# KiCad board AT386SX.kicad_pcb (continued)
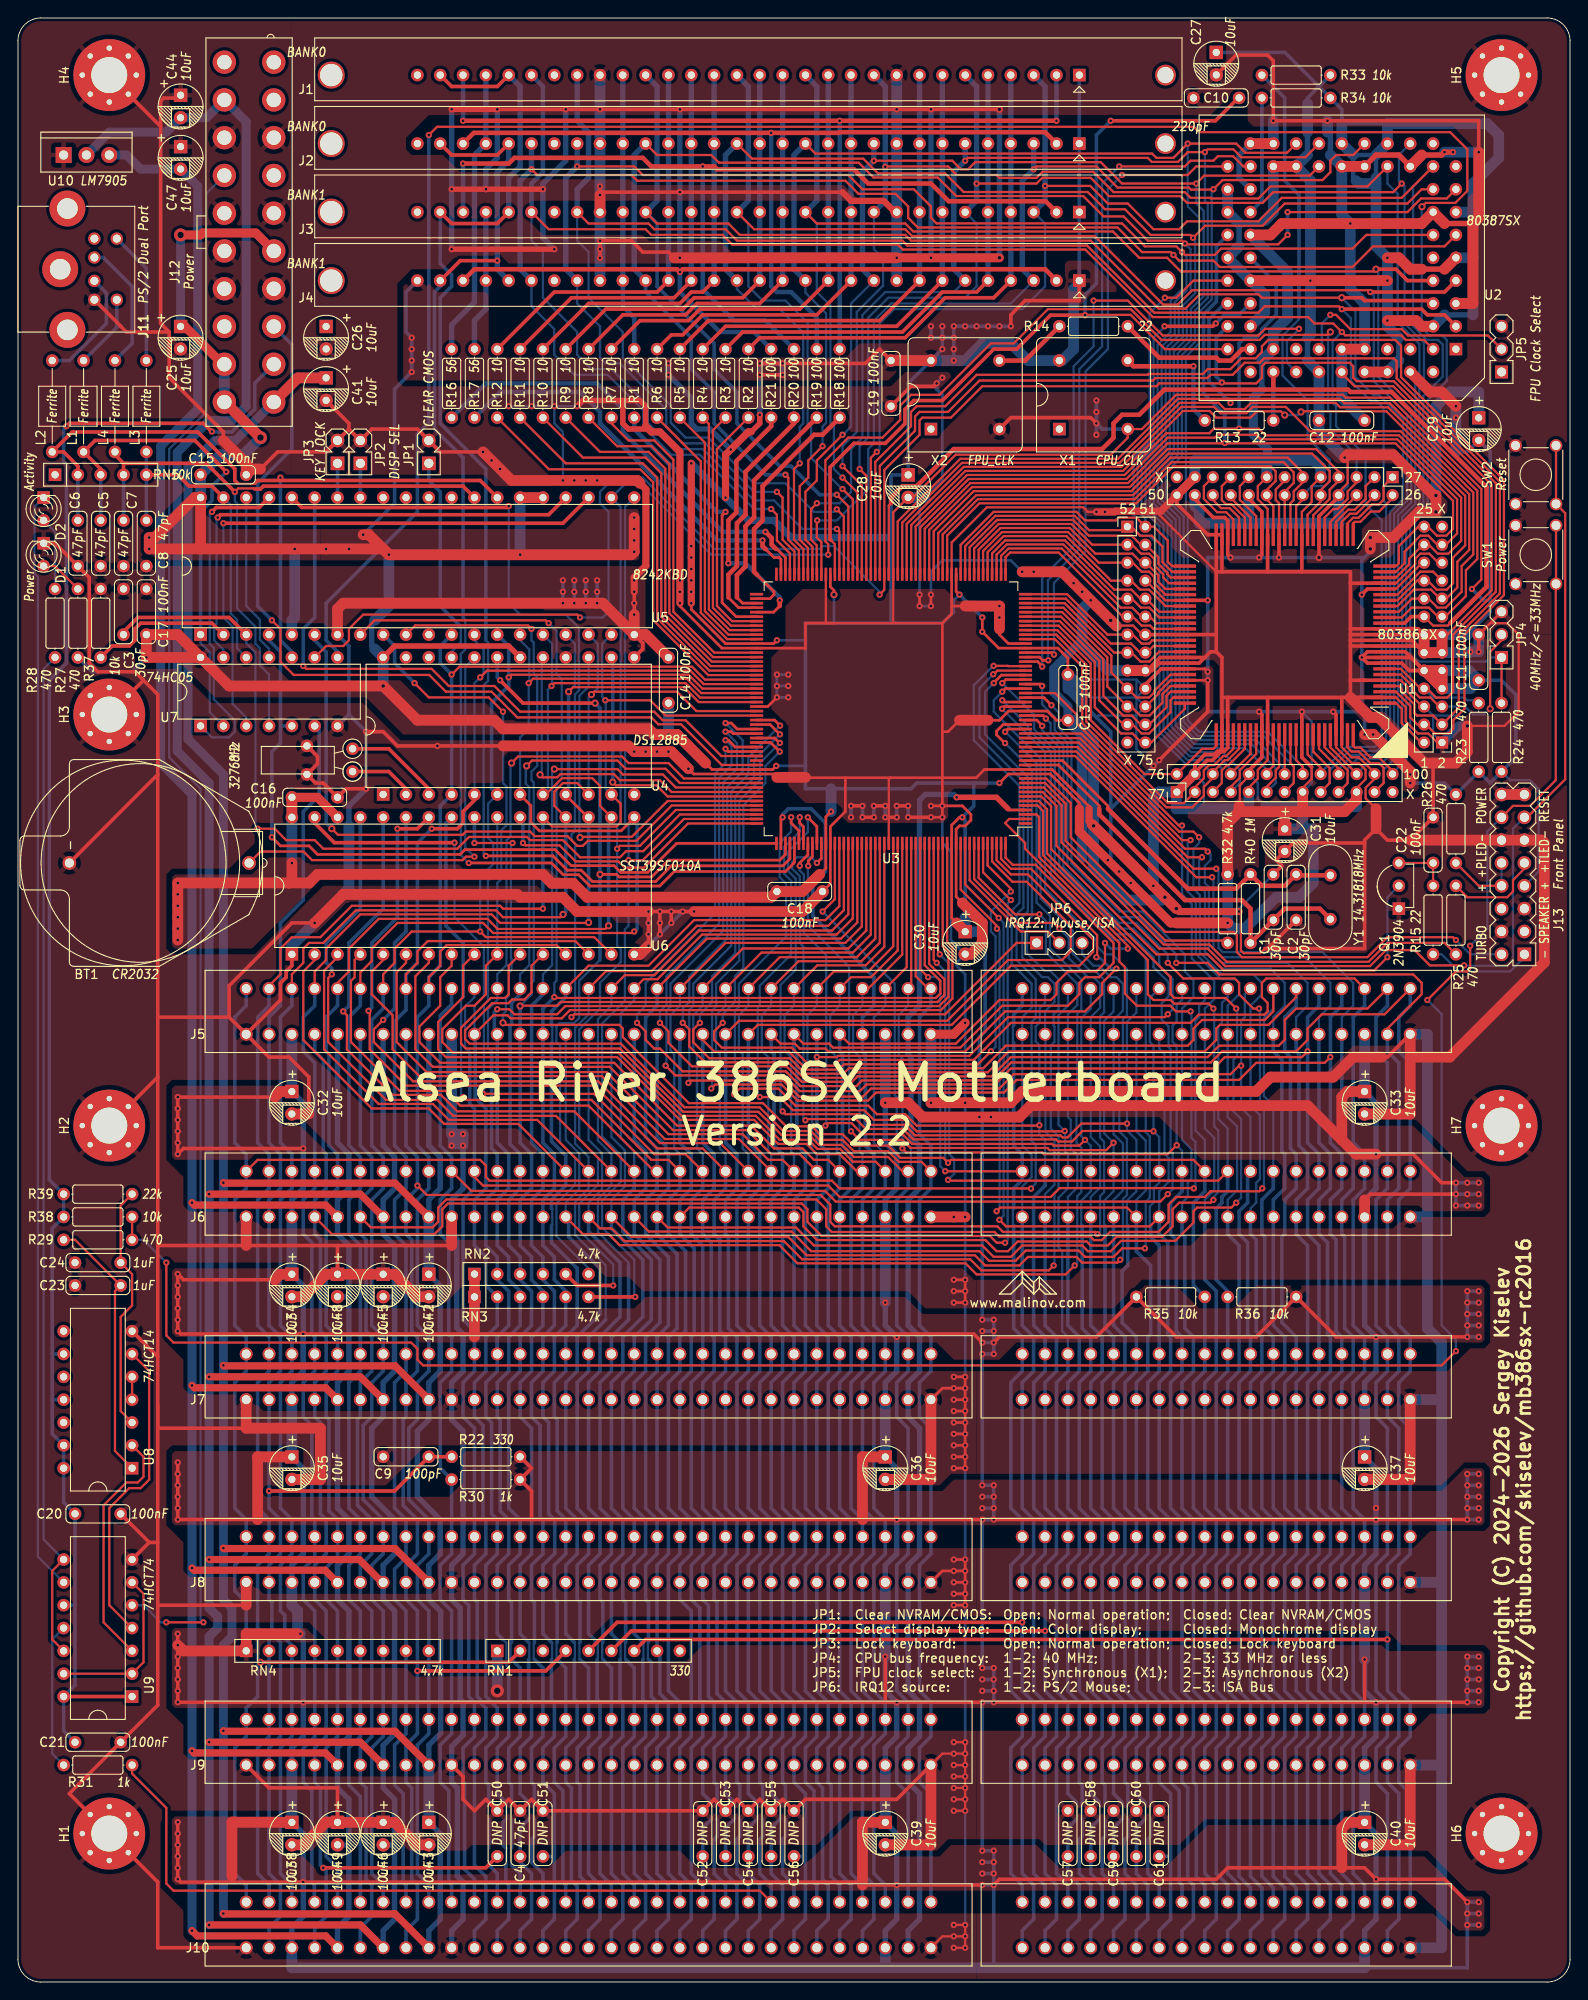
[diagram p0: board, top side]
## Routing (per net, layer and track width the routed paths; a pad name or vN(x,y) marks a point on that pad's centre or on a via; arc(x,y) is an arc through that point) (continued)
VCC: length 3023.7
  Top w0.25: 146.97,165.7 147.97,166.7 147.97,169.21 v1(147.64,169.55) ; U1.21 153.36,154.94 156.28,157.86 J14.22 ; J17.10 136.97,134.11 135.97,133.11 135.97,130.89 135.89,130.81 ; J16.22 125.51,141.86 126.91,143.26 126.91,143.42 128.27,144.78 U1.71 ; J16.8 125.51,155.86 127.7,153.67 U1.57 ; 143.97,135.11 143.97,133.81 142.97,132.81 J17.15 ; U1.39 140.34,164.47 139.97,164.83 139.97,166.01 140.97,167 J15.13 ; J17.21 148.97,132.78 149.97,133.78 149.97,134.83 149.22,135.57 148.43,135.57 146.69,137.32 U1.97
  Top w0.3: v1(132.4,145.73) 132.08,146.05 U1.69 ; 89.22,123.19 89.91,123.88 U3.168 89.91,129.59 v1(90.49,130.18) ; v2(90.8,154.31) 90.8,154.78 90.41,155.18 U3.92 ; v1(104.78,154.31) 104.41,154.68 U3.64 ; 76.52,135.57 77.23,134.86 U3.144 83.99,134.86 v1(84.39,135.25) ; v1(105.09,129.54) 105.12,129.51 104.75,129.51 103.91,128.67 U3.196 103.91,118.34 104.46,117.79 ; v1(109.22,133.35) 110.22,134.36 U3.12 114.88,134.36 118.11,131.13 118.11,130.49 ; v1(107.31,151.76) v1(107.31,150.18) 109.14,148.36 U3.40 115.72,148.36 116.84,147.24 C13.1 ; 20.68,165.14 20.32,165.5 ; v1(132.4,144.78) U1.71 ; v1(74.93,153.35) 74.93,152.68 78.75,148.86 U3.116 84.08,148.86 v1(84.45,149.22)
  Top w0.4: 57.15,51.44 v1(107.31,51.44) ; 57.15,51.44 57.15,54.61 R30.1 57.15,57.15 R22.1 ; 57.15,51.44 v1(17.78,51.44) v1(17.78,52.71) v1(17.78,53.97) v1(17.78,55.25) v1(17.78,56.51) v1(17.78,57.78) ; 143.97,135.11 142.88,136.21 U1.91 v1(142.88,141.29) ; J15.18 136.97,164.97 138.43,163.51 U1.42 138.43,158.75 v1(138.11,158.43) ; v1(107.31,31.12) 96.52,31.12 ; 96.52,31.12 v1(96.52,36.19) ; 96.52,31.12 v1(17.78,31.12) v1(17.78,32.38) v1(17.78,33.66) v1(17.78,34.93) v1(17.78,36.19) v1(17.78,37.47) v1(17.78,38.73) ; 149.86,31.12 v1(161.29,31.12) ; 149.86,31.12 v1(108.58,31.12) ; 149.86,31.12 v1(149.86,35.88) ; v1(160.02,88.9) 158.43,88.9 155.26,92.07 v1(151.13,92.07) ; 108.58,96.2 v1(108.27,96.2) ; v1(85.09,178.75) v1(82.55,178.75) ; v1(134.94,158.43) 134.62,158.75 U1.48 134.62,162.56 134.3,162.88 133.03,162.88 130.97,164.94 J15.24 ; v1(127,135.89) 132.4,141.29 v1(132.4,144.78) ; v2(144.78,158.43) U1.32 144.78,163.02 146.97,165.21 J15.8 ; U1.57 v1(132.4,153.67) ; v1(82.55,180.02) 94.3,180.02 95.89,181.61 C19.1 ; v1(161.29,8.89) 158.75,11.43 v1(151.13,11.43) 149.86,12.7 134.62,12.7 133.35,11.43 109.22,11.43 v1(108.58,10.79) ; U1.21 150.18,154.94 v1(149.54,154.31) ; v1(108.58,71.12) 109.22,71.75 120.01,71.75 R35.1 128.91,71.75 137.79,71.75 R36.1 146.69,71.75 v1(161.29,71.75) ; U1.97 146.69,140.97 v1(146.37,141.29) ; v1(107.31,10.79) 93.98,10.79 93.66,11.11 23.81,11.11 ; 23.81,11.11 23.81,11.75 ; 23.81,11.11 18.1,11.11 v1(17.78,11.43) v1(17.78,12.7) v1(17.78,13.97) v1(17.78,15.24) v1(17.78,16.51) v1(17.78,17.78) ; v1(110.49,184.15) 110.49,185.42 112.08,187.01 118.11,187.01 J4.1 ; v1(31.75,92.71) 18.41,92.71 v1(17.78,92.07) v1(17.78,93.34) v1(17.78,94.62) v1(17.78,95.88) v1(17.78,97.16) v1(17.78,98.43) 28.57,98.43 ; v1(149.54,147.32) U1.9 155.02,147.32 155.93,146.41 ; v1(149.54,147.32) 150.18,147.95 U1.10 154.38,147.95 155.93,146.41 ; v1(149.54,147.32) 150.18,146.69 U1.8 153.99,146.69 154.81,145.86 J14.10 155.93,146.41 ; U1.69 127.21,146.05 125.46,144.3 J16.20 ; v1(107.31,71.12) 106.36,72.07 18.1,72.07 v1(17.78,72.39) v1(17.78,73.66) v1(17.78,74.93) v1(17.78,76.2) v1(17.78,77.47) v1(17.78,78.74) 18.41,78.1 28.57,78.1 ; v1(108.58,51.44) v1(161.29,51.44) ; J17.10 136.97,134.75 138.43,136.21 U1.84 138.43,140.97 v1(138.11,141.29) ; 149.86,87 150.5,87.63 v1(160.02,87.63) ; U1.39 v1(140.34,158.43)
  Top w0.6: 79.38,170.5 v1(79.32,170.44) ; 156.21,190.5 158.75,190.5 ; 81.6,172.4 82.55,173.35 v1(82.55,174.31) ; U4.18 54.61,148.59 41.91,148.59 U4.24
  Top w0.8: v1(78.74,165.1) 78.74,169.86 81.28,172.4 81.6,172.4 ; v1(74.93,153.35) v1(74.93,154.62) v1(74.93,155.89) v1(74.93,157.16) v1(74.93,158.43) v1(74.93,159.7) v1(74.93,168.91)
  Top w1: J12.6 26.47,194.53 20.54,194.53 20.32,194.31 v3(18.1,194.31) ; U6.30 33.34,131.76 C16.1 ; 118.11,130.49 118.11,127.95 v1(121.28,124.78) v1(122.56,123.51) v1(123.82,122.24) 128.27,117.79 128.91,117.79 ; J12.19 22.79,179.93 18.58,184.13 C25.1
  Top w1.2: C35.1 26.69,58.4 26.67,58.42 26.67,51.44 ; 135.89,130.18 140.97,130.18 ; 135.89,130.18 134.62,128.91 134.62,123.51 ; 135.89,130.18 135.89,130.81 ; 140.97,130.18 C31.1 ; 140.97,130.18 142.88,130.18 ; C39.1 94,17.76 93.98,17.78 93.98,10.79 ; X2.8 C19.1 ; C38.1 24.15,17.76 24.13,17.78 23.81,17.78 23.81,11.75 ; U2.9 158.75,190.5 ; 30.16,122.24 30.48,122.55 v1(30.48,124.46) ; 30.16,122.24 v1(17.78,122.24) v1(17.78,120.97) v1(17.78,119.7) v1(17.78,118.43) v1(17.78,117.16) v1(17.78,115.89) ; 30.16,122.24 32.38,122.24 33.34,123.19 58.42,123.19 59.41,122.2 61.79,122.2 63.34,120.65 83.82,120.65 C18.1 87.31,121.28 89.22,123.19 ; v1(149.86,138.75) v1(150.81,138.75) 154.94,134.62 v1(154.94,134.3) v1(154.94,133.35) ; 76.52,135.57 73.34,138.75 v1(72.39,138.75) 70.8,138.75 70.17,139.38 53.97,139.38 53.02,140.33 44.45,140.33 v2(40.64,144.14) 23.49,144.14 U7.14 ; v1(41.27,158.75) 68.26,158.75 v1(68.58,159.07) v1(68.58,162.88) ; v1(41.27,158.75) 39.05,160.97 v1(38.42,160.97) ; v1(41.27,158.75) 40.64,159.38 v1(34.29,159.38) v1(30.8,159.38) 20.32,159.38 ; 147.32,93.66 143.51,97.47 112.71,97.47 111.44,96.2 100.65,96.2 99.06,97.79 v1(96.52,97.79) ; 147.32,93.66 147.32,98.43 147.94,99.04 C33.1 ; 147.32,93.66 148.91,92.07 v1(151.13,92.07) ; 25.4,36.87 25.4,38.73 31.11,38.73 ; v1(147.64,169.55) 147.96,169.86 153.03,169.86 157.56,165.34 v2(157.8,165.34) v2(157.8,163.51) 155.89,163.51 153.03,160.66 v2(150.5,160.66) v2(150.5,159.38) ; J6.78 149.86,87 ; U7.14 17.78,149.86 C17.1 v1(14.29,147.32) U7.14 ; 28.57,98.43 29.19,99.04 C32.1 ; C40.1 147.97,17.76 147.32,17.1 147.32,12.7 ; J12.20 23.03,175.73 v3(26.99,171.77) ; 104.46,117.79 105.41,116.84 C30.1 ; 93.98,51.44 93.98,58.42 94,58.4 C36.1 ; RN2.1 RN3.1 50.8,71.75 ; 20.32,159.38 v1(14.6,159.38) v1(14.6,160.66) 15.24,160.66 19.69,165.1 U5.40 20.32,159.38 ; RN4.1 18.41,36.83 v1(17.78,37.47) ; 28.57,78.1 29.19,78.72 C34.1 ; J17.15 142.97,130.27 142.88,130.18 ; J17.21 148.97,131.51 147.64,130.18 142.88,130.18 ; v1(152.4,191.77) 153.67,191.77 154.94,190.5 156.21,190.5 ; U2.33 U2.31 ; U2.64 U2.62 ; 158.48,143.95 156.56,145.86 ; U2.46 v1(143.83,189.23) v1(152.4,189.23) ; v1(134.62,117.79) 128.91,117.79 ; C16.1 U6.32 ; v1(152.4,184.78) 155.57,184.78 156.21,184.15 U2.4 ; U5.25 U5.26 ; J14.7 158.48,143.95 156.57,145.86 J14.10 J14.9 J14.7
  Bottom w0.25: 124.46,140.86 J16.22 124.46,142.86 ; 124.46,140.86 120.22,140.86 120.01,140.65 ; 124.46,140.86 124.46,142.86 ; 124.46,140.86 124.46,137.16 v1(126.37,135.25) ; 124.46,142.86 124.46,144.86 ; 124.46,142.86 J16.20 124.46,144.86 ; 124.46,142.86 119.4,142.86 C13.1 117.4,144.86 124.46,144.86 ; 138.84,130.72 137.97,131.59 137.97,133.35 J17.10 ; J15.8 147.97,166.37 147.97,169.21 v1(147.64,169.55) ; J17.15 143.97,133.35 143.97,140.19 v1(142.88,141.29) ; R24.1 166.05,133.67 168.28,133.67 169.23,132.72 169.23,123.51 J13.7
  Bottom w0.3: 104.14,152.4 104.14,153.67 v1(104.78,154.31) ; v1(84.45,149.22) 87.63,149.22 ; v1(84.39,135.25) 87.63,135.25 ; v2(90.8,154.31) 90.8,151.13 ; 117.2,145.49 116.52,145.38
  Bottom w0.4: 149.54,141.29 149.86,140.97 v1(149.86,138.75) ; 149.54,141.29 v1(149.54,147.32) v1(149.54,154.31) 149.54,158.12 149.86,158.43 ; 149.54,141.29 v1(146.37,141.29) v1(142.88,141.29) v1(138.11,141.29) 132.4,141.29 v1(132.4,153.67) 132.4,158.43 v1(134.94,158.43) v1(138.11,158.43) v1(140.34,158.43) v2(144.78,158.43) 149.86,158.43 ; v1(108.58,13.34) v1(108.58,14.6) v1(107.31,14.6) v1(107.31,31.12) v1(108.58,31.12) v1(108.58,32.38) ; v1(108.58,13.34) v1(107.31,13.34) ; v1(108.58,13.34) v1(108.58,12.06) ; J4.1 J2.1 J1.1 ; 108.58,1.59 v1(108.58,10.79) ; v1(108.58,10.79) v1(108.58,12.06) ; v1(108.58,10.79) v1(107.31,10.79) ; v1(105.41,184.15) v1(104.14,184.15) v1(104.14,182.88) ; v1(105.41,184.15) 104.78,184.15 ; v1(105.41,184.15) v1(107.95,184.15) v1(109.22,184.15) v1(110.49,184.15) ; v1(161.29,53.97) v1(161.29,55.25) ; v1(161.29,53.97) v1(161.29,52.71) ; v1(161.29,53.97) v1(162.56,53.97) ; v1(161.29,55.25) v1(162.56,55.25) ; v1(161.29,55.25) v1(161.29,56.51) v1(162.56,56.51) ; 152.4,206.69 147.32,206.69 147.32,208.28 R34.1 144.78,210.82 ; v1(104.14,182.88) v1(102.87,182.88) ; v1(104.14,182.88) v1(104.14,181.61) v1(104.14,180.34) ; 106.36,133.35 106.36,130.81 v1(105.09,129.54) 105.41,129.22 105.41,118.43 ; 106.36,133.35 100.01,133.35 99.38,132.72 87.63,132.72 87.63,151.13 97.79,151.13 ; 106.36,133.35 v1(109.22,133.35) ; v1(162.56,36.19) v1(161.29,36.19) v1(161.29,34.93) ; v1(108.58,33.66) v1(107.31,33.66) ; v1(108.58,33.66) v1(108.58,32.38) ; v1(108.58,33.66) v1(108.58,34.93) v1(107.31,34.93) v1(107.31,51.44) v1(108.58,51.44) v1(108.58,52.71) ; v1(161.29,74.29) v1(161.29,75.56) ; v1(161.29,74.29) v1(161.29,73.03) ; v1(161.29,74.29) v1(162.56,74.29) ; v1(161.29,75.56) v1(162.56,75.56) ; v1(161.29,75.56) v1(161.29,76.84) v1(162.56,76.84) ; v1(162.56,8.89) v1(161.29,8.89) v1(161.29,7.62) ; 144.78,210.82 R33.1 ; 144.78,210.82 140.99,214.61 C27.1 ; 144.78,210.82 143.51,209.55 143.51,208.91 ; v1(162.56,73.03) v1(161.29,73.03) ; v1(161.29,73.03) v1(161.29,71.75) v1(162.56,71.75) ; v1(161.29,52.71) v1(161.29,51.44) v1(162.56,51.44) ; v1(161.29,52.71) v1(162.56,52.71) ; 149.86,158.43 150.5,159.07 v2(150.5,159.38) ; v1(108.58,71.12) v1(108.58,72.39) ; v1(108.58,71.12) v1(107.31,71.12) ; v1(108.58,71.12) v1(108.58,69.85) v1(107.31,69.85) v1(107.31,55.25) v1(108.58,55.25) v1(108.58,53.97) ; v1(108.58,72.39) v1(107.31,72.39) ; v1(108.58,72.39) v1(108.58,73.66) v1(107.31,73.66) 107.31,95.88 v1(107,96.2) ; C11.1 165.08,144.78 166.69,143.18 166.69,136.21 163.83,133.35 R23.1 R26.1 158.75,133.35 v1(154.94,133.35) ; v1(108.58,12.06) v1(107.31,12.06) ; v1(161.29,34.93) v1(162.56,34.93) ; v1(161.29,34.93) v1(161.29,33.66) ; v1(161.29,32.38) v1(161.29,31.12) v1(162.56,31.12) ; v1(161.29,32.38) v1(161.29,33.66) ; v1(161.29,32.38) v1(162.56,32.38) ; v1(38.42,160.97) 41.91,164.47 41.91,177.16 v1(43.81,179.07) v1(43.81,180.34) v1(43.81,181.61) v1(43.81,182.88) 43.18,183.51 43.18,187.96 J4.30 ; v1(160.02,87.63) v1(160.02,88.9) v1(161.29,88.9) v1(162.56,88.9) ; v1(160.02,87.63) v1(160.02,86.36) v1(161.29,86.36) v1(162.56,86.36) ; v1(160.02,87.63) v1(161.29,87.63) v1(162.56,87.63) ; v1(102.87,182.88) v1(102.87,184.15) ; v1(102.87,182.88) v1(101.6,182.88) v1(101.6,184.15) ; v1(102.87,182.88) v1(102.87,181.61) X2.8 99.06,177.8 C28.1 97.16,167.62 97.16,151.13 97.79,151.13 ; 107,116.84 107.63,116.2 107.63,105.73 107,105.09 107,101.6 107.31,101.28 107.31,96.52 v1(107,96.2) ; v1(161.29,7.62) v1(162.56,7.62) ; v1(161.29,7.62) v1(161.29,6.35) ; 118.43,142.24 121.6,139.06 121.6,130.49 ; v1(107,96.2) v1(108.27,96.2) ; v1(108.58,32.38) v1(107.31,32.38) ; 97.79,151.13 102.87,151.13 104.14,152.4 ; v1(161.29,33.66) v1(162.56,33.66) ; v1(127,135.89) 121.6,130.49 ; 121.6,130.49 121.6,125.09 v1(121.28,124.78) v1(122.56,123.51) v1(123.82,122.24) ; 149.86,1.59 161.29,1.59 v1(161.29,6.35) ; v1(161.29,6.35) v1(162.56,6.35) ; v1(108.58,52.71) v1(107.31,52.71) ; v1(108.58,52.71) v1(108.58,53.97) ; v1(108.58,53.97) v1(107.31,53.97) ; R27.1 8.25,145.73 12.7,145.73 v1(14.29,147.32) ; v1(107.31,151.76) v1(104.78,154.31)
  Bottom w0.5: 148.91,200.34 148.59,200.66 148.59,203.2 151.13,203.2 151.13,200.66
  Bottom w0.6: 31.75,67.94 31.75,77.45 C34.1 ; 31.75,67.94 v1(31.75,72.07) ; 31.75,67.94 30.48,66.68 J7.3 ; 153.67,180.34 153.67,182.88 ; C40.1 151.13,16.49 v1(151.13,11.43) 151.13,6.98 149.86,5.72 J10.78 ; 30.48,99.06 31.75,97.79 v1(31.75,92.71) 31.75,88.26 30.48,87 J6.3 ; v1(72.39,180.02) v1(72.39,178.75) 74.93,176.21 74.93,173.35 75.56,172.72 77.05,172.72 v1(79.32,170.44) ; 39.69,151.45 39.37,151.13 39.37,148.59 39.69,148.27 ; C33.1 151.13,97.77 151.13,88.26 149.86,87 J6.78 149.86,73.03 v1(151.13,71.75) 151.13,67.94 149.86,66.68 J7.78 ; J10.29 96.52,5.72 97.79,6.98 97.79,16.49 C39.1 ; C35.1 31.75,57.13 31.75,47.62 30.48,46.35 J8.3 ; J8.78 149.86,46.35 151.13,47.62 151.13,57.13 C37.1 ; J9.78 149.86,26.03 151.13,27.31 v1(151.13,31.12) 149.86,32.38 v1(149.86,35.88) ; v1(96.52,97.79) 96.52,93.34 97.79,92.07 97.79,88.26 96.52,87 J6.29 ; v1(96.52,75.56) 96.52,73.03 v1(97.79,71.75) 97.79,67.94 96.52,66.68 J7.29 ; v1(85.09,178.75) v1(85.09,180.02) v1(82.55,180.02) v1(82.55,178.75) v1(82.55,174.31) ; 143.51,203.2 143.51,205.74 ; J9.3 30.48,26.03 31.75,27.31 31.75,38.1 31.43,38.42 v1(31.43,38.73) ; 135.89,193.04 135.89,195.58 138.43,195.58 138.75,195.9 ; v1(96.52,36.19) 96.52,32.38 v1(97.79,31.12) 97.79,27.31 96.52,26.03 J9.29 ; C36.1 97.79,57.13 97.79,47.62 96.52,46.35 J8.29 ; 158.75,185.42 161.93,185.42 ; 30.48,17.78 31.75,16.51 31.75,7.3 30.48,6.03 J10.3 ; 143.51,180.34 143.51,182.88
  Bottom w0.8: 97.16,160.66 86.04,160.66 84.14,162.56 81.28,162.56 v1(78.74,165.1) v1(74.93,168.91)
  Bottom w1: 118.43,142.24 116.84,143.83 ; v3(18.1,194.31) C25.1
  Bottom w1.2: 142.97,130.72 148.97,130.72 J17.21 ; 142.97,130.72 J17.15 142.97,128.49 143.21,128.25 ; 142.97,130.72 138.84,130.72 ; U2.50 138.75,185.74 138.75,187.64 U2.46 U2.43 135.89,193.04 ; 158.47,143.95 156.56,145.87 ; 90.49,132.72 v1(90.49,130.18) ; v2(40.64,144.14) U4.24 39.69,148.27 ; v1(41.27,158.75) 41.27,153.03 39.69,151.45 ; J15.18 136.97,162.37 136.84,162.24 ; 161.93,196.85 161.93,200.03 164.78,202.88 164.78,205.42 163.51,206.69 152.4,206.69 U2.22 151.13,203.2 ; 161.93,196.85 161.93,191.77 ; 161.93,196.85 U2.13 ; J7.78 C37.1 ; v1(30.48,124.46) U6.32 ; 138.75,195.9 139.7,196.85 U2.33 ; J14.7 161.64,143.86 C11.1 161.48,145.86 J14.9 J14.10 ; 158.48,143.87 158.48,145.87 ; J6.29 v1(96.52,75.56) ; U2.37 U2.39 135.89,195.58 ; J12.20 J12.19 ; J15.8 146.97,162.28 147,162.24 136.84,162.24 ; 143.21,128.25 C31.1 ; 143.21,128.25 144.15,128.25 144.15,122.24 142.56,120.65 140.02,120.65 136.53,117.16 135.25,117.16 v1(134.62,117.79) 134.62,123.51 ; J4.1 118.11,188.91 117.47,188.28 117.47,181.61 116.21,180.34 X1.8 112.4,180.34 110.49,182.25 107.31,182.25 105.41,180.34 X2.8 ; v2(157.8,163.51) 157.8,175.26 159.38,176.85 162.56,176.85 C29.1 ; 151.13,200.66 151.13,193.04 v1(152.4,191.77) v1(152.4,189.23) v1(152.4,184.78) 152.4,184.15 153.67,182.88 ; 136.84,162.24 131.44,162.24 131.44,163.67 130.97,164.15 J15.24 ; C35.1 J7.3 ; J9.78 C40.1 ; 143.51,205.74 143.51,208.91 ; J5.29 v1(96.52,97.79) ; J9.29 C39.1 ; U5.5 30.48,151.45 30.8,151.76 v1(30.8,159.38) ; v1(55.88,158.75) U5.26 ; RN1.1 v3(53.34,32.38) ; v1(31.43,38.73) 31.12,39.05 31.12,41.28 30.48,41.91 J8.3 ; J10.3 30.48,1.59 96.52,1.59 ; 116.84,143.83 C13.1 118.43,143.83 118.43,142.24 ; 96.52,1.59 J10.29 ; 96.52,1.59 149.86,1.59 J10.78 ; 151.13,200.03 149.22,200.03 148.91,200.34 ; 105.41,118.43 C30.1 106.98,116.82 107,116.84 ; U2.9 161.93,191.77 ; 161.93,191.77 161.93,185.42 ; C36.1 J7.29 ; 143.51,203.2 U2.31 143.83,200.34 v1(143.83,189.23) 143.83,183.2 143.51,182.88 ; 143.51,180.34 U2.58 C12.1 144.78,172.4 v1(147.64,169.55) ; 147.32,206.69 U2.26 148.59,203.2 ; J6.3 C34.1 ; J5.3 30.48,99.06 ; J9.3 C38.1 ; U2.64 153.67,180.34 ; C14.1 v1(72.39,138.75) ; U2.4 158.75,185.42 ; J8.78 v1(149.86,35.88) ; v3(26.99,171.77) 25.08,169.86 22.54,169.86 C15.1 U5.40 ; C33.1 J5.78 ; J8.29 v1(96.52,36.19)
  vias: v1(31.75,31.12) v1(31.75,11.11) v1(36.83,159.38) v1(68.58,161.61) v1(68.58,160.34) v1(97.79,51.44) v1(97.79,10.79) v1(106.68,184.15) v1(151.13,52.71) v1(151.13,51.44)
/ISA Slots and Power/VSTB: length 193.2
  Top w0.4: U9.14 U9.1 ; v1(5.4,173.04) 5.71,173.35 20.64,173.35 21.59,172.4 21.59,172.43 v1(21.58,172.45)
  Bottom w0.4: U8.9 3.81,69.85 ; 3.81,69.85 3.81,76.84 ; 3.81,69.85 3.81,64.77 ; U9.10 6.35,41.91 ; 6.35,41.91 6.35,33.02 U9.14 5.08,27.94 C21.1 ; 6.35,41.91 C20.1 5.08,53.34 U8.14 U8.13 3.81,60.96 3.81,64.77 ; J12.9 26.35,177.81 26.35,174.94 23.81,172.4 21.62,172.4 v1(21.58,172.45) ; v1(5.4,173.04) 5.08,172.72 5.08,169.07 5.4,168.75 5.4,146.69 3.49,144.78 3.49,89.22 R39.2 R38.2 3.81,83.82 3.81,74.3 ; 3.81,64.77 U8.11
/ISA Slots and Power/~{PS_OFF}: length 18.8
  Top w0.25: U9.13 U9.2 13.97,35.56 13.97,43.18 U9.6
/ISA Slots and Power/~{PS_ON}: length 173.8
  Top w0.25: v1(16.51,40) v1(20.64,40)
  Bottom w0.25: U9.5 13.97,41.91 15.88,40 v1(16.51,40) ; J12.14 20.95,198.92 20.95,174.62 16.83,170.5 16.83,136.21 20.32,132.72 20.32,40.32 v1(20.64,40)
/Memory, BIOS, Keyboard, RTC/DISP_SEL: length 3.8
  Bottom w0.4: U5.33 JP2.1
/Memory, BIOS, Keyboard, RTC/KB_CLOCK: length 8.3
  Bottom w0.4: L1.2 11,184.04 J11.5
/Memory, BIOS, Keyboard, RTC/KB_DATA: length 13
  Bottom w0.4: L2.2 5.71,180.34 9.84,184.47 9.84,187.86 J11.1
/Memory, BIOS, Keyboard, RTC/KBCI: length 56.7
  Top w0.4: RN5.3 9.21,168.28 L1.1 8.57,171.45 19.69,171.45 v1(23.18,167.96)
  Bottom w0.25: U7.2 21.34,141.22 21.34,147.88 20.32,148.91 U5.1
  Bottom w0.4: v1(23.18,167.96) 21.59,166.37 21.59,164.78 20.32,163.51 U5.1 ; C5.1 RN5.3
/Memory, BIOS, Keyboard, RTC/KBCO: length 37.3
  Top w0.4: v1(21.59,163.51) 22.08,164 26.84,164 U5.37
  Bottom w0.25: U7.1 21.59,138.43 23.49,138.43 24.13,139.06 24.13,140.33 21.79,142.67 21.79,148.39 21.34,148.84 21.34,163.27 21.59,163.51
/Memory, BIOS, Keyboard, RTC/KBDI: length 84.9
  Top w0.25: 26.35,166.69 26.28,166.62 24.52,166.62 24.45,166.69
  Top w0.4: 26.35,166.69 26.67,167 29.21,167 ; U5.27 51.44,167 29.21,167 ; 29.21,167 v1(29.21,167.32) ; RN5.2 6.67,168.59 5.08,170.18 L2.1 6.03,172.4 20,172.4 24.13,168.28 24.13,167 24.45,166.69
  Bottom w0.4: U7.10 30.48,147.95 29.21,149.22 v1(29.21,167.32) ; C6.1 RN5.2
/Memory, BIOS, Keyboard, RTC/KBDO: length 18.8
  Bottom w0.25: U5.38 25.4,153.03 26.92,151.52 26.92,149.3 27.94,148.27 U7.11
/Memory, BIOS, Keyboard, RTC/KEY_LOCK: length 3.8
  Bottom w0.4: U5.34 JP3.1
/Memory, BIOS, Keyboard, RTC/MS_CLOCK: length 14.9
  Bottom w0.4: J11.6 14.29,190.61 L3.2
/Memory, BIOS, Keyboard, RTC/MS_DATA: length 14.6
  Bottom w0.4: L4.2 12.7,182.25 12.7,188.59 9.49,191.8 J11.2
/Memory, BIOS, Keyboard, RTC/MSC0: length 55.8
  Top w0.4: U5.24 59.05,163.19 22.54,163.19 v1(22.22,162.88)
  Bottom w0.25: v1(22.22,162.88) 22.1,162.75 22.1,151.08 21.84,150.82 21.84,149.22 22.86,148.19 U7.13
/Memory, BIOS, Keyboard, RTC/MSCI: length 36.2
  Top w0.4: RN5.5 17.78,167.64 19.05,166.37 21.59,166.37 U5.39
  Bottom w0.25: U5.39 23.68,164.28 23.68,152.21 24.38,151.52 24.38,148.34 U7.12
  Bottom w0.4: C8.1 RN5.5 14.29,169.86 14.6,170.18
/Memory, BIOS, Keyboard, RTC/MSD0: length 65.4
  Top w0.4: U5.23 60.64,162.24 v1(22.86,162.24)
  Bottom w0.25: U7.3 25.4,140.65 23.88,142.17 23.88,150.74 22.86,151.76 v1(22.86,162.24)
/Memory, BIOS, Keyboard, RTC/MSDI: length 76.8
  Top w0.25: v1(24.13,165.74) 24.52,166.12 26.28,166.12 26.35,166.05
  Top w0.4: L4.1 10.79,169.86 11.75,168.91 ; 26.35,166.05 26.99,166.05 27.3,166.37 49.53,166.37 U5.28 ; 11.75,168.91 20.95,168.91 v1(24.13,165.74) ; 11.75,168.91 RN5.4
  Bottom w0.25: v1(24.13,165.74) 24.13,164.71 24.38,164.46 24.38,152.78 26.42,150.74 26.42,148.84 26.92,148.34 26.92,146.44 27.94,145.41 U7.4
  Bottom w0.4: C7.1 RN5.4
/Memory, BIOS, Keyboard, RTC/RA0: length 55.2
  Top w0.4: R2.2 82.55,182.88 98.74,182.88 103.19,187.32 108.58,187.32 J4.4
  Bottom w0.6: J4.4 J3.4 J2.4 J1.4
/Memory, BIOS, Keyboard, RTC/RA1: length 55.2
  Top w0.4: R3.2 80.64,183.51 98.42,183.51 102.87,187.96 106.68,187.96 J4.5
  Bottom w0.6: J4.5 J3.5 J2.5 J1.5
/Memory, BIOS, Keyboard, RTC/RA2: length 52.7
  Top w0.4: R4.2 78.74,184.15 97.79,184.15 J4.7
  Bottom w0.6: J4.7 J3.7 J2.7 J1.7
/Memory, BIOS, Keyboard, RTC/RA3: length 52.7
  Top w0.4: J4.8 95.89,184.78 76.83,184.78 R5.2
  Bottom w0.6: J1.8 J2.8 J3.8 J4.8
/Memory, BIOS, Keyboard, RTC/RA4: length 47.6
  Top w0.4: R6.2 72.71,183.2 73.98,183.2 76.2,185.42 88.9,185.42 J4.11
  Bottom w0.6: J1.11 J2.11 J3.11 J4.11
/Memory, BIOS, Keyboard, RTC/RA5: length 50.1
  Top w0.4: R7.2 69.22,184.78 74.61,184.78 75.88,186.06 87,186.06 J4.12
  Bottom w0.6: J4.12 J3.12 J2.12 J1.12
/Memory, BIOS, Keyboard, RTC/RA6: length 47.6
  Top w0.4: R8.2 67.31,185.42 74.3,185.42 75.56,186.69 82.55,186.69 J4.14
  Bottom w0.6: J1.14 J2.14 J3.14 J4.14
/Memory, BIOS, Keyboard, RTC/RA7: length 47.6
  Top w0.4: R9.2 65.41,186.06 73.98,186.06 75.25,187.32 80.64,187.32 J4.15
  Bottom w0.6: J1.15 J2.15 J3.15 J4.15
/Memory, BIOS, Keyboard, RTC/RA8: length 45.1
  Top w0.4: R10.2 63.5,186.69 73.66,186.69 74.93,187.96 76.2,187.96 J4.17
  Bottom w0.6: J1.17 J2.17 J3.17 J4.17
/Memory, BIOS, Keyboard, RTC/RA9: length 45.1
  Top w0.4: R11.2 61.59,187.32 73.03,187.32 J4.18
  Bottom w0.6: J1.18 J2.18 J3.18 J4.18
/Memory, BIOS, Keyboard, RTC/RA10: length 45.1
  Top w0.4: J4.19 71.12,187.96 59.69,187.96 R12.2
  Bottom w0.6: J4.19 J3.19 J2.19 J1.19
/Memory, BIOS, Keyboard, RTC/~{RCAS0}: length 101.6
  Top w0.5: v1(115.57,207.01) 109.22,207.01 v1(49.53,207.01)
  Bottom w0.5: J1.28 v1(49.53,207.01) ; R18.2 v1(91.44,207.01) ; J1.2 v1(115.57,207.01)
/Memory, BIOS, Keyboard, RTC/~{RCAS1}: length 94.2
  Top w0.5: J2.2 114.3,205.74 91.44,205.74 91.36,205.66 50.72,205.66 J2.28
  Bottom w0.5: v1(83.82,205.66) 83.82,188.59 84.45,187.96 86.04,187.96 88.9,185.1 R19.2
/Memory, BIOS, Keyboard, RTC/~{RCAS2}: length 100.8
  Top w0.5: v1(49.53,202.25) 54.61,202.25 55.25,202.88 69.53,202.88 70.48,201.93 v1(76.2,201.93) 77.47,201.93 77.79,201.61 93.03,201.61 94.61,200.03 101.6,200.03 103.56,198.06 114.36,198.06 J3.2
  Bottom w0.5: R20.2 83.19,184.78 79.69,184.78 76.2,188.28 v1(76.2,201.93) ; v1(49.53,202.25) J3.28
/Memory, BIOS, Keyboard, RTC/~{RCAS3}: length 82.4
  Top w0.5: J4.28 50.8,190.5 73.34,190.5 v1(73.66,190.18) 73.98,190.5 114.3,190.5 J4.2
  Bottom w0.5: v1(73.66,190.18) 73.66,187.96 78.11,183.51 81.91,183.51 R21.2
/Memory, BIOS, Keyboard, RTC/~{RRAS01}: length 32.1
  Bottom w0.6: J1.27 J2.27 50.8,203.2 50.8,186.85 48.26,184.31 R16.2
/Memory, BIOS, Keyboard, RTC/~{RRAS23}: length 15.8
  Bottom w0.6: R17.2 50.8,184.78 52.07,186.06 J4.27 J3.27
/Memory, BIOS, Keyboard, RTC/~{RWE}: length 31
  Bottom w0.5: J4.21 67.31,186.37 68.58,185.1 R1.2
  Bottom w0.6: J4.21 J3.21 J2.21 J1.21
/NC: length 9.3
  Top w0.25: J15.1 151.97,166.37 151.97,164.86 151.45,164.34 150.68,164.34 149.41,163.07 149.41,163.06 149.2,162.85 148.56,162.85 147.96,162.24 U1.27
/PWR_LED+: length 8.7
  Top w0.25: J13.8 162.56,121.92 R26.2
  Bottom w0.25: J13.8 J13.10
/READY: length 259.5
  Top w0.25: R24.2 JP4.1 ; v2(156.25,197.45) 156.67,197.87 159.95,197.87 161.29,199.21 161.29,203.84 159.38,205.74 131.44,205.74 130.85,206.34 46.63,206.34 v1(45.72,205.42)
  Bottom w0.25: v2(156.25,197.45) 156.21,197.41 156.21,183.97 157.06,183.13 158.5,183.13 159,182.63 159,178.07 156.87,175.94 156.87,163.86 155.48,162.47 155.48,147.23 155.85,146.86 163.37,146.86 163.83,147.32 JP4.1
  Bottom w0.4: v1(45.72,205.42) 45.72,173.43 44.45,172.16 44.45,163.51 34.29,153.35 34.29,149.22 35.56,147.95 U7.8
/RESET_SW: length 126.8
  Top w0.25: v1(160.93,113.07) 157.12,113.07 156.21,113.98 156.21,113.98 155.42,114.77 152.24,114.77 150.46,112.99 134.34,112.99 132.4,114.94 127,114.94 115.57,126.36 115.57,130.81 114.03,132.36 U3.8 ; J13.13 167.96,129.54 172.18,133.77 172.18,163.36 SW2.2 SW2.2
  Bottom w0.25: v1(160.93,113.07) 160.97,113.03 165.73,113.03 166.37,113.66 166.37,128.27 J13.13
/SPEAKER: length 60.2
  Top w0.25: U3.7 113.89,131.86 114.98,130.77 114.98,126.01 126.68,114.3 132.4,114.3 134.18,112.52 150.94,112.52 v1(152.4,113.98)
  Bottom w0.25: v1(152.4,113.98) 152.4,113.98 152.4,120.65 Q1.2
/SPEAKER-: length 11.9
  Bottom w0.25: J13.1 167.64,113.98 166.05,112.39 160.34,112.39 158.43,114.3 R15.1
/TURBO_LED+: length 10.8
  Top w0.25: R25.1 161.29,120.65 165.73,120.65 166.37,121.28 166.37,122.55 167.64,123.83 J13.9
/TURBO_SW: length 66.3
  Top w0.25: U3.11 114.43,133.86 117.16,131.13 117.16,127.32 127.68,116.79 135.3,116.79 135.64,116.45 135.64,114.55 136.21,113.98 150.18,113.98 152.4,116.2 159.7,116.2 v1(160.02,115.89)
  Bottom w0.25: v1(160.02,115.89) 161.61,114.3 J13.2
/~{ERROR}: length 58.2
  Top w0.25: J15.12 142.97,164.88 142.24,164.15 U1.36
  Bottom w0.25: 142.56,185.1 142.56,184.93 140.72,183.09 140.72,178.68 143.51,175.89 143.51,171.77 145.97,169.31 145.97,166.92 145.41,166.37 143.97,166.37 J15.12
  Bottom w0.4: R33.2 140.97,209.55 140.97,200.34 142.56,198.75 142.56,185.1
/~{FLT}: length 6.3
  Top w0.25: J15.4 150.97,165.32 148.95,163.3 148.22,163.3 147.32,162.4 U1.28
/~{FLUSH}: length 5.6
  Top w0.25: U1.30 146.05,162.4 148.97,165.32 J15.6
/~{KEN}: length 8.6
  Top w0.25: U1.29 146.69,162.4 148.03,163.75 148.76,163.75 149.97,164.96 149.97,166.37 J15.3
/~{LOCK}: length 7.1
  Top w0.25: U1.26 148.59,162.24 148.75,162.4 149.39,162.4 149.86,162.88 149.86,162.88 150.53,163.55 151.49,163.55 152.97,165.03 J15.2
/~{NA}: length 22.9
  Top w0.25: JP4.2 165.1,149.22 163.83,147.95 v2(163.83,141.61) ; U1.6 153.88,145.41 155.26,144.04 155.26,143.59 155.99,142.86 157.18,142.86 158.18,141.86 J14.5
  Bottom w0.25: J14.5 161.03,141.86 161.93,140.97 163.19,140.97 v2(163.83,141.61)
/~{RPLSET}: length 8.2
  Top w0.25: U1.45 136.53,162.88 135.03,164.37 134.42,164.37 133.97,164.82 133.97,166.37 J15.19
/~{RPLVAL}: length 6.2
  Top w0.25: J15.22 132.97,164.84 133.89,163.92 134.85,163.92 135.89,162.88 U1.46
/~{SMADS}: length 7.9
  Top w0.25: 152.08,154.31 153.51,154.31 155.48,156.27 155.48,156.27 156.07,156.86 157.48,156.86 J14.19
/~{SMI}: length 8.8
  Top w0.25: J15.21 131.97,166.37 131.97,164.96 133.46,163.47 134.45,163.47 135.25,162.67 U1.47
/~{SUSPA}: length 5.3